# Altium PCB PM12_CFD.PcbDoc (part 3 of 12)
Units mm, origin at the board's own origin, x right, y up, seen from the top; angles counter-clockwise.
Board outline 96.25 x 362.25 mm, 6 copper layers (Top Layer, Mid-Layer 1, Mid-Layer 2, Mid-Layer 3, Mid-Layer 4, Bottom Layer); 1413 components, 2881 nets, 4503 pads, 1682 vias.
Unrouted connection lines stored in the file: 4.
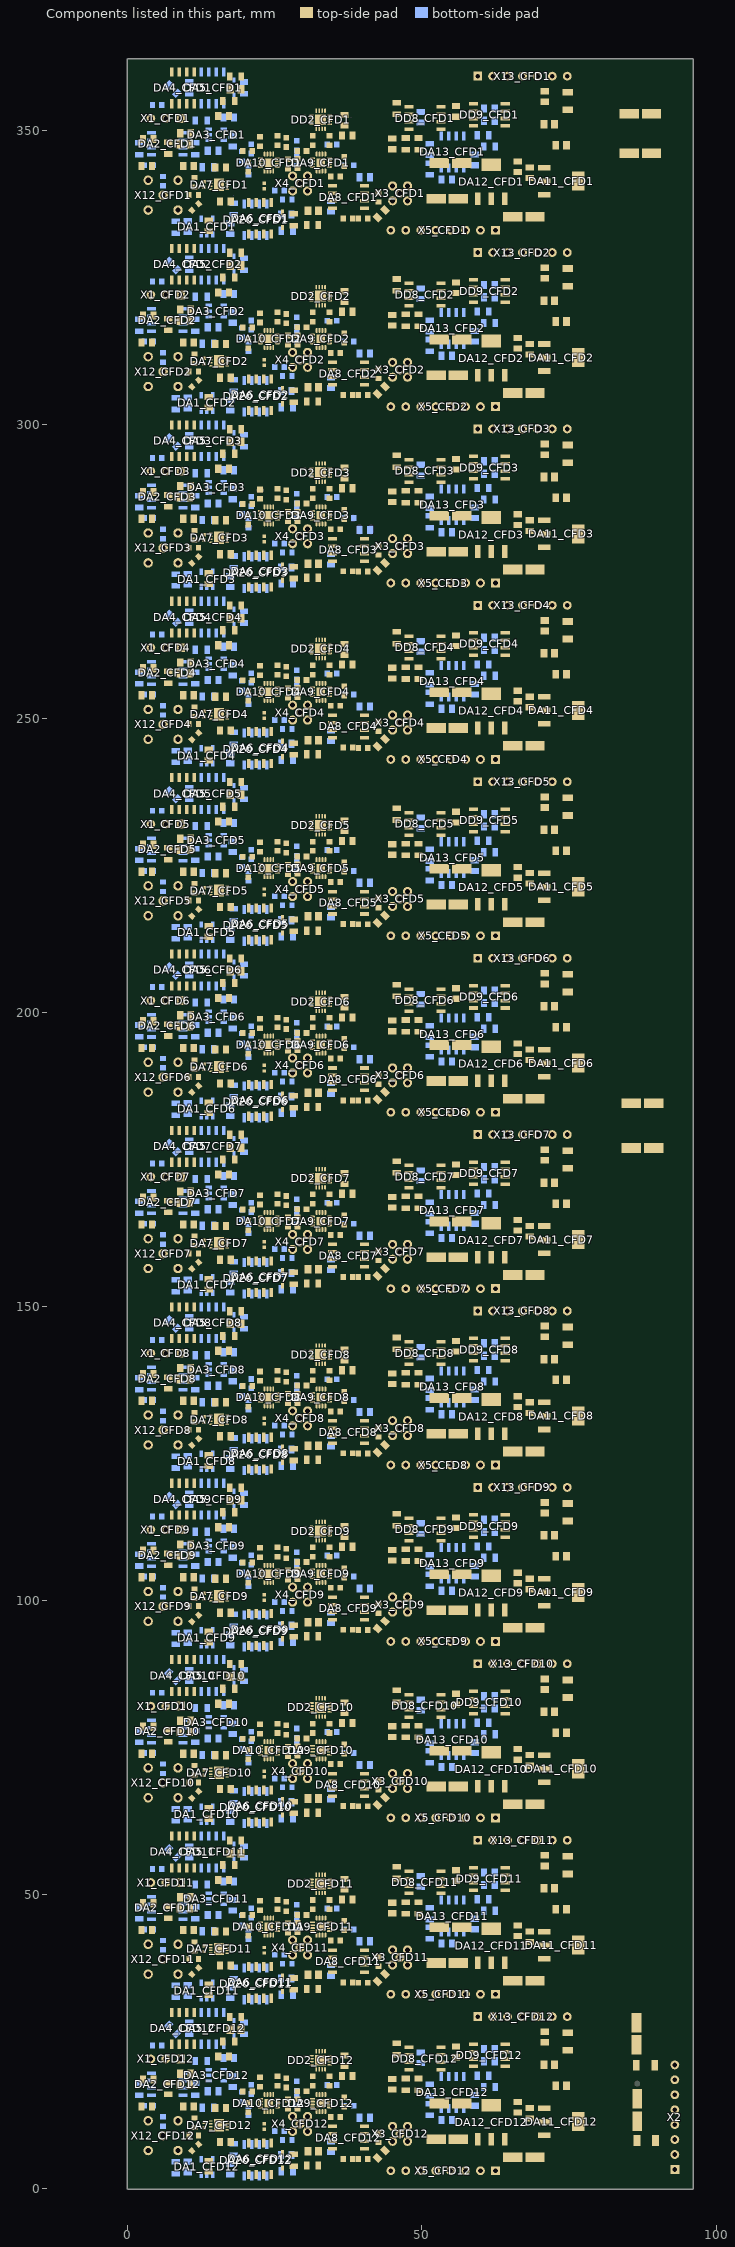
[diagram p7: the components of this part, seen from the top]

## Components (designator, comment, footprint, x,y, rotation, side; value= is the part's Value field where it differs from the comment) (continued)
R6_CFD3 "240" RESC1005X40N 12.954,280.741 r90 top (schematic designator R6)
R6_CFD4 "240" RESC1005X40N 12.954,250.741 r90 top (schematic designator R6)
R6_CFD5 "240" RESC1005X40N 12.954,220.741 r90 top (schematic designator R6)
R6_CFD6 "240" RESC1005X40N 12.954,190.741 r90 top (schematic designator R6)
R6_CFD7 "240" RESC1005X40N 12.954,160.741 r90 top (schematic designator R6)
R6_CFD8 "240" RESC1005X40N 12.954,130.741 r90 top (schematic designator R6)
R6_CFD9 "240" RESC1005X40N 12.954,100.741 r90 top (schematic designator R6)
R6_CFD10 "240" RESC1005X40N 12.954,70.741 r90 top (schematic designator R6)
R6_CFD11 "240" RESC1005X40N 12.954,40.741 r90 top (schematic designator R6)
R6_CFD12 "240" RESC1005X40N 12.954,10.741 r90 top (schematic designator R6)
R7_CFD1 "51" RESC2012X60N 47.244,347.68 r270 top (schematic designator R7)
R7_CFD2 "51" RESC2012X60N 47.244,317.68 r270 top (schematic designator R7)
R7_CFD3 "51" RESC2012X60N 47.244,287.68 r270 top (schematic designator R7)
R7_CFD4 "51" RESC2012X60N 47.244,257.68 r270 top (schematic designator R7)
R7_CFD5 "51" RESC2012X60N 47.244,227.68 r270 top (schematic designator R7)
R7_CFD6 "51" RESC2012X60N 47.244,197.68 r270 top (schematic designator R7)
R7_CFD7 "51" RESC2012X60N 47.244,167.68 r270 top (schematic designator R7)
R7_CFD8 "51" RESC2012X60N 47.244,137.68 r270 top (schematic designator R7)
R7_CFD9 "51" RESC2012X60N 47.244,107.68 r270 top (schematic designator R7)
R7_CFD10 "51" RESC2012X60N 47.244,77.68 r270 top (schematic designator R7)
R7_CFD11 "51" RESC2012X60N 47.244,47.68 r270 top (schematic designator R7)
R7_CFD12 "51" RESC2012X60N 47.244,17.68 r270 top (schematic designator R7)
R8_CFD1 "680" RESC2012X60N 11.43,346.837 r90 bottom (schematic designator R8)
R8_CFD2 "680" RESC2012X60N 11.43,316.837 r90 bottom (schematic designator R8)
R8_CFD3 "680" RESC2012X60N 11.43,286.837 r90 bottom (schematic designator R8)
R8_CFD4 "680" RESC2012X60N 11.43,256.837 r90 bottom (schematic designator R8)
R8_CFD5 "680" RESC2012X60N 11.43,226.837 r90 bottom (schematic designator R8)
R8_CFD6 "680" RESC2012X60N 11.43,196.837 r90 bottom (schematic designator R8)
R8_CFD7 "680" RESC2012X60N 11.43,166.837 r90 bottom (schematic designator R8)
R8_CFD8 "680" RESC2012X60N 11.43,136.837 r90 bottom (schematic designator R8)
R8_CFD9 "680" RESC2012X60N 11.43,106.837 r90 bottom (schematic designator R8)
R8_CFD10 "680" RESC2012X60N 11.43,76.837 r90 bottom (schematic designator R8)
R8_CFD11 "680" RESC2012X60N 11.43,46.837 r90 bottom (schematic designator R8)
R8_CFD12 "680" RESC2012X60N 11.43,16.837 r90 bottom (schematic designator R8)
R9_CFD1 "510" RESC1608X55N 3.556,344.043 r0 bottom (schematic designator R9)
R9_CFD2 "510" RESC1608X55N 3.556,314.043 r0 bottom (schematic designator R9)
R9_CFD3 "510" RESC1608X55N 3.556,284.043 r0 bottom (schematic designator R9)
R9_CFD4 "510" RESC1608X55N 3.556,254.043 r0 bottom (schematic designator R9)
R9_CFD5 "510" RESC1608X55N 3.556,224.043 r0 bottom (schematic designator R9)
R9_CFD6 "510" RESC1608X55N 3.556,194.043 r0 bottom (schematic designator R9)
R9_CFD7 "510" RESC1608X55N 3.556,164.043 r0 bottom (schematic designator R9)
R9_CFD8 "510" RESC1608X55N 3.556,134.043 r0 bottom (schematic designator R9)
R9_CFD9 "510" RESC1608X55N 3.556,104.043 r0 bottom (schematic designator R9)
R9_CFD10 "510" RESC1608X55N 3.556,74.043 r0 bottom (schematic designator R9)
R9_CFD11 "510" RESC1608X55N 3.556,44.043 r0 bottom (schematic designator R9)
R9_CFD12 "510" RESC1608X55N 3.556,14.043 r0 bottom (schematic designator R9)
R10_CFD1 "51" RESC2012X60N 6.858,346.964 r270 top (schematic designator R10)
R10_CFD2 "51" RESC2012X60N 6.858,316.964 r270 top (schematic designator R10)
R10_CFD3 "51" RESC2012X60N 6.858,286.964 r270 top (schematic designator R10)
R10_CFD4 "51" RESC2012X60N 6.858,256.964 r270 top (schematic designator R10)
R10_CFD5 "51" RESC2012X60N 6.858,226.964 r270 top (schematic designator R10)
R10_CFD6 "51" RESC2012X60N 6.858,196.964 r270 top (schematic designator R10)
R10_CFD7 "51" RESC2012X60N 6.858,166.964 r270 top (schematic designator R10)
R10_CFD8 "51" RESC2012X60N 6.858,136.964 r270 top (schematic designator R10)
R10_CFD9 "51" RESC2012X60N 6.858,106.964 r270 top (schematic designator R10)
R10_CFD10 "51" RESC2012X60N 6.858,76.964 r270 top (schematic designator R10)
R10_CFD11 "51" RESC2012X60N 6.858,46.964 r270 top (schematic designator R10)
R10_CFD12 "51" RESC2012X60N 6.858,16.964 r270 top (schematic designator R10)
R11_CFD1 "75" RESC1608X55N 42.58,338.582 r90 top (schematic designator R11)
R11_CFD2 "75" RESC1608X55N 42.58,308.582 r90 top (schematic designator R11)
R11_CFD3 "75" RESC1608X55N 42.58,278.582 r90 top (schematic designator R11)
R11_CFD4 "75" RESC1608X55N 42.58,248.582 r90 top (schematic designator R11)
R11_CFD5 "75" RESC1608X55N 42.58,218.582 r90 top (schematic designator R11)
R11_CFD6 "75" RESC1608X55N 42.58,188.582 r90 top (schematic designator R11)
R11_CFD7 "75" RESC1608X55N 42.58,158.582 r90 top (schematic designator R11)
R11_CFD8 "75" RESC1608X55N 42.58,128.582 r90 top (schematic designator R11)
R11_CFD9 "75" RESC1608X55N 42.58,98.582 r90 top (schematic designator R11)
R11_CFD10 "75" RESC1608X55N 42.58,68.582 r90 top (schematic designator R11)
R11_CFD11 "75" RESC1608X55N 42.58,38.582 r90 top (schematic designator R11)
R11_CFD12 "75" RESC1608X55N 42.58,8.582 r90 top (schematic designator R11)
R12_CFD1 "10k" RESC2012X60N 17.145,354.965 r180 top (schematic designator R12)
R12_CFD2 "10k" RESC2012X60N 17.145,324.965 r180 top (schematic designator R12)
R12_CFD3 "10k" RESC2012X60N 17.145,294.965 r180 top (schematic designator R12)
R12_CFD4 "10k" RESC2012X60N 17.145,264.965 r180 top (schematic designator R12)
R12_CFD5 "10k" RESC2012X60N 17.145,234.965 r180 top (schematic designator R12)
R12_CFD6 "10k" RESC2012X60N 17.145,204.965 r180 top (schematic designator R12)
R12_CFD7 "10k" RESC2012X60N 17.145,174.965 r180 top (schematic designator R12)
R12_CFD8 "10k" RESC2012X60N 17.145,144.965 r180 top (schematic designator R12)
R12_CFD9 "10k" RESC2012X60N 17.145,114.965 r180 top (schematic designator R12)
R12_CFD10 "10k" RESC2012X60N 17.145,84.965 r180 top (schematic designator R12)
R12_CFD11 "10k" RESC2012X60N 17.145,54.965 r180 top (schematic designator R12)
R12_CFD12 "10k" RESC2012X60N 17.145,24.965 r180 top (schematic designator R12)
R13_CFD1 "1k" RESC2012X60N 18.288,359.156 r0 top (schematic designator R13)
R13_CFD2 "1k" RESC2012X60N 18.288,329.156 r0 top (schematic designator R13)
R13_CFD3 "1k" RESC2012X60N 18.288,299.156 r0 top (schematic designator R13)
R13_CFD4 "1k" RESC2012X60N 18.288,269.156 r0 top (schematic designator R13)
R13_CFD5 "1k" RESC2012X60N 18.288,239.156 r0 top (schematic designator R13)
R13_CFD6 "1k" RESC2012X60N 18.288,209.156 r0 top (schematic designator R13)
R13_CFD7 "1k" RESC2012X60N 18.288,179.156 r0 top (schematic designator R13)
R13_CFD8 "1k" RESC2012X60N 18.288,149.156 r0 top (schematic designator R13)
R13_CFD9 "1k" RESC2012X60N 18.288,119.156 r0 top (schematic designator R13)
R13_CFD10 "1k" RESC2012X60N 18.288,89.156 r0 top (schematic designator R13)
R13_CFD11 "1k" RESC2012X60N 18.288,59.156 r0 top (schematic designator R13)
R13_CFD12 "1k" RESC2012X60N 18.288,29.156 r0 top (schematic designator R13)
R14_CFD1 "20" RESC2012X60N 18,336.6 r90 bottom (schematic designator R14)
R14_CFD2 "20" RESC2012X60N 18,306.6 r90 bottom (schematic designator R14)
R14_CFD3 "20" RESC2012X60N 18,276.6 r90 bottom (schematic designator R14)
R14_CFD4 "20" RESC2012X60N 18,246.6 r90 bottom (schematic designator R14)
R14_CFD5 "20" RESC2012X60N 18,216.6 r90 bottom (schematic designator R14)
R14_CFD6 "20" RESC2012X60N 18,186.6 r90 bottom (schematic designator R14)
R14_CFD7 "20" RESC2012X60N 18,156.6 r90 bottom (schematic designator R14)
R14_CFD8 "20" RESC2012X60N 18,126.6 r90 bottom (schematic designator R14)
R14_CFD9 "20" RESC2012X60N 18,96.6 r90 bottom (schematic designator R14)
R14_CFD10 "20" RESC2012X60N 18,66.6 r90 bottom (schematic designator R14)
R14_CFD11 "20" RESC2012X60N 18,36.6 r90 bottom (schematic designator R14)
R14_CFD12 "20" RESC2012X60N 18,6.6 r90 bottom (schematic designator R14)
R15_CFD1 "100" RESC2012X60N 7.6,357 r135 bottom (schematic designator R15)
R15_CFD2 "100" RESC2012X60N 7.6,327 r135 bottom (schematic designator R15)
R15_CFD3 "100" RESC2012X60N 7.6,297 r135 bottom (schematic designator R15)
R15_CFD4 "100" RESC2012X60N 7.6,267 r135 bottom (schematic designator R15)
R15_CFD5 "100" RESC2012X60N 7.6,237 r135 bottom (schematic designator R15)
R15_CFD6 "100" RESC2012X60N 7.6,207 r135 bottom (schematic designator R15)
R15_CFD7 "100" RESC2012X60N 7.6,177 r135 bottom (schematic designator R15)
R15_CFD8 "100" RESC2012X60N 7.6,147 r135 bottom (schematic designator R15)
R15_CFD9 "100" RESC2012X60N 7.6,117 r135 bottom (schematic designator R15)
R15_CFD10 "100" RESC2012X60N 7.6,87 r135 bottom (schematic designator R15)
R15_CFD11 "100" RESC2012X60N 7.6,57 r135 bottom (schematic designator R15)
R15_CFD12 "100" RESC2012X60N 7.6,27 r135 bottom (schematic designator R15)
R16_CFD1 "10k" RESC2012X60N 28.194,334.772 r90 top (schematic designator R16)
R16_CFD2 "10k" RESC2012X60N 28.194,304.772 r90 top (schematic designator R16)
R16_CFD3 "10k" RESC2012X60N 28.194,274.772 r90 top (schematic designator R16)
R16_CFD4 "10k" RESC2012X60N 28.194,244.772 r90 top (schematic designator R16)
R16_CFD5 "10k" RESC2012X60N 28.194,214.772 r90 top (schematic designator R16)
R16_CFD6 "10k" RESC2012X60N 28.194,184.772 r90 top (schematic designator R16)
R16_CFD7 "10k" RESC2012X60N 28.194,154.772 r90 top (schematic designator R16)
R16_CFD8 "10k" RESC2012X60N 28.194,124.772 r90 top (schematic designator R16)
R16_CFD9 "10k" RESC2012X60N 28.194,94.772 r90 top (schematic designator R16)
R16_CFD10 "10k" RESC2012X60N 28.194,64.772 r90 top (schematic designator R16)
R16_CFD11 "10k" RESC2012X60N 28.194,34.772 r90 top (schematic designator R16)
R16_CFD12 "10k" RESC2012X60N 28.194,4.772 r90 top (schematic designator R16)
R17_CFD1 "10k" RESC2012X60N 19.75,357.2 r90 bottom (schematic designator R17)
R17_CFD2 "10k" RESC2012X60N 19.75,327.2 r90 bottom (schematic designator R17)
R17_CFD3 "10k" RESC2012X60N 19.75,297.2 r90 bottom (schematic designator R17)
R17_CFD4 "10k" RESC2012X60N 19.75,267.2 r90 bottom (schematic designator R17)
R17_CFD5 "10k" RESC2012X60N 19.75,237.2 r90 bottom (schematic designator R17)
R17_CFD6 "10k" RESC2012X60N 19.75,207.2 r90 bottom (schematic designator R17)
R17_CFD7 "10k" RESC2012X60N 19.75,177.2 r90 bottom (schematic designator R17)
R17_CFD8 "10k" RESC2012X60N 19.75,147.2 r90 bottom (schematic designator R17)
R17_CFD9 "10k" RESC2012X60N 19.75,117.2 r90 bottom (schematic designator R17)
R17_CFD10 "10k" RESC2012X60N 19.75,87.2 r90 bottom (schematic designator R17)
R17_CFD11 "10k" RESC2012X60N 19.75,57.2 r90 bottom (schematic designator R17)
R17_CFD12 "10k" RESC2012X60N 19.75,27.2 r90 bottom (schematic designator R17)
R18_CFD1 "200" RESC2012X60N 61.468,347.218 r0 bottom (schematic designator R18)
R18_CFD2 "200" RESC2012X60N 61.468,317.218 r0 bottom (schematic designator R18)
R18_CFD3 "200" RESC2012X60N 61.468,287.218 r0 bottom (schematic designator R18)
R18_CFD4 "200" RESC2012X60N 61.468,257.218 r0 bottom (schematic designator R18)
R18_CFD5 "200" RESC2012X60N 61.468,227.218 r0 bottom (schematic designator R18)
R18_CFD6 "200" RESC2012X60N 61.468,197.218 r0 bottom (schematic designator R18)
R18_CFD7 "200" RESC2012X60N 61.468,167.218 r0 bottom (schematic designator R18)
R18_CFD8 "200" RESC2012X60N 61.468,137.218 r0 bottom (schematic designator R18)
R18_CFD9 "200" RESC2012X60N 61.468,107.218 r0 bottom (schematic designator R18)
R18_CFD10 "200" RESC2012X60N 61.468,77.218 r0 bottom (schematic designator R18)
R18_CFD11 "200" RESC2012X60N 61.468,47.218 r0 bottom (schematic designator R18)
R18_CFD12 "200" RESC2012X60N 61.468,17.218 r0 bottom (schematic designator R18)
R19_CFD1 "510" RESC1608X55N 37.4,335 r180 top (schematic designator R19)
R19_CFD2 "510" RESC1608X55N 37.4,305 r180 top (schematic designator R19)
R19_CFD3 "510" RESC1608X55N 37.4,275 r180 top (schematic designator R19)
R19_CFD4 "510" RESC1608X55N 37.4,245 r180 top (schematic designator R19)
R19_CFD5 "510" RESC1608X55N 37.4,215 r180 top (schematic designator R19)
R19_CFD6 "510" RESC1608X55N 37.4,185 r180 top (schematic designator R19)
R19_CFD7 "510" RESC1608X55N 37.4,155 r180 top (schematic designator R19)
R19_CFD8 "510" RESC1608X55N 37.4,125 r180 top (schematic designator R19)
R19_CFD9 "510" RESC1608X55N 37.4,95 r180 top (schematic designator R19)
R19_CFD10 "510" RESC1608X55N 37.4,65 r180 top (schematic designator R19)
R19_CFD11 "510" RESC1608X55N 37.4,35 r180 top (schematic designator R19)
R19_CFD12 "510" RESC1608X55N 37.4,5 r180 top (schematic designator R19)
R20_CFD1 "240" RESC1608X55N 34.7,347.599 r0 bottom (schematic designator R20)
R20_CFD2 "240" RESC1608X55N 34.7,317.599 r0 bottom (schematic designator R20)
R20_CFD3 "240" RESC1608X55N 34.7,287.599 r0 bottom (schematic designator R20)
R20_CFD4 "240" RESC1608X55N 34.7,257.599 r0 bottom (schematic designator R20)
R20_CFD5 "240" RESC1608X55N 34.7,227.599 r0 bottom (schematic designator R20)
R20_CFD6 "240" RESC1608X55N 34.7,197.599 r0 bottom (schematic designator R20)
R20_CFD7 "240" RESC1608X55N 34.7,167.599 r0 bottom (schematic designator R20)
R20_CFD8 "240" RESC1608X55N 34.7,137.599 r0 bottom (schematic designator R20)
R20_CFD9 "240" RESC1608X55N 34.7,107.599 r0 bottom (schematic designator R20)
R20_CFD10 "240" RESC1608X55N 34.7,77.599 r0 bottom (schematic designator R20)
R20_CFD11 "240" RESC1608X55N 34.7,47.599 r0 bottom (schematic designator R20)
R20_CFD12 "240" RESC1608X55N 34.7,17.599 r0 bottom (schematic designator R20)
R21_CFD1 "120" RESC1608X55N 40,334.97 r180 top (schematic designator R21)
R21_CFD2 "120" RESC1608X55N 40,304.97 r180 top (schematic designator R21)
R21_CFD3 "120" RESC1608X55N 40,274.97 r180 top (schematic designator R21)
R21_CFD4 "120" RESC1608X55N 40,244.97 r180 top (schematic designator R21)
R21_CFD5 "120" RESC1608X55N 40,214.97 r180 top (schematic designator R21)
R21_CFD6 "120" RESC1608X55N 40,184.97 r180 top (schematic designator R21)
R21_CFD7 "120" RESC1608X55N 40,154.97 r180 top (schematic designator R21)
R21_CFD8 "120" RESC1608X55N 40,124.97 r180 top (schematic designator R21)
R21_CFD9 "120" RESC1608X55N 40,94.97 r180 top (schematic designator R21)
R21_CFD10 "120" RESC1608X55N 40,64.97 r180 top (schematic designator R21)
R21_CFD11 "120" RESC1608X55N 40,34.97 r180 top (schematic designator R21)
R21_CFD12 "120" RESC1608X55N 40,4.97 r180 top (schematic designator R21)
R22_CFD1 "3k3" RESC1608X55N 28.702,344.805 r270 bottom (schematic designator R22)
R22_CFD2 "3k3" RESC1608X55N 28.702,314.805 r270 bottom (schematic designator R22)
R22_CFD3 "3k3" RESC1608X55N 28.702,284.805 r270 bottom (schematic designator R22)
R22_CFD4 "3k3" RESC1608X55N 28.702,254.805 r270 bottom (schematic designator R22)
R22_CFD5 "3k3" RESC1608X55N 28.702,224.805 r270 bottom (schematic designator R22)
R22_CFD6 "3k3" RESC1608X55N 28.702,194.805 r270 bottom (schematic designator R22)
R22_CFD7 "3k3" RESC1608X55N 28.702,164.805 r270 bottom (schematic designator R22)
R22_CFD8 "3k3" RESC1608X55N 28.702,134.805 r270 bottom (schematic designator R22)
R22_CFD9 "3k3" RESC1608X55N 28.702,104.805 r270 bottom (schematic designator R22)
R22_CFD10 "3k3" RESC1608X55N 28.702,74.805 r270 bottom (schematic designator R22)
R22_CFD11 "3k3" RESC1608X55N 28.702,44.805 r270 bottom (schematic designator R22)
R22_CFD12 "3k3" RESC1608X55N 28.702,14.805 r270 bottom (schematic designator R22)
R23_CFD1 "3k3" RESC1608X55N 19.4,345.58 r270 bottom (schematic designator R23)
R23_CFD2 "3k3" RESC1608X55N 19.4,315.58 r270 bottom (schematic designator R23)
R23_CFD3 "3k3" RESC1608X55N 19.4,285.58 r270 bottom (schematic designator R23)
R23_CFD4 "3k3" RESC1608X55N 19.4,255.58 r270 bottom (schematic designator R23)
R23_CFD5 "3k3" RESC1608X55N 19.4,225.58 r270 bottom (schematic designator R23)
R23_CFD6 "3k3" RESC1608X55N 19.4,195.58 r270 bottom (schematic designator R23)
R23_CFD7 "3k3" RESC1608X55N 19.4,165.58 r270 bottom (schematic designator R23)
R23_CFD8 "3k3" RESC1608X55N 19.4,135.58 r270 bottom (schematic designator R23)
R23_CFD9 "3k3" RESC1608X55N 19.4,105.58 r270 bottom (schematic designator R23)
R23_CFD10 "3k3" RESC1608X55N 19.4,75.58 r270 bottom (schematic designator R23)
R23_CFD11 "3k3" RESC1608X55N 19.4,45.58 r270 bottom (schematic designator R23)
R23_CFD12 "3k3" RESC1608X55N 19.4,15.58 r270 bottom (schematic designator R23)
R24_CFD1 "16" RESC1608X64N 27.051,338.201 r180 bottom (schematic designator R24)
R24_CFD2 "16" RESC1608X64N 27.051,308.201 r180 bottom (schematic designator R24)
R24_CFD3 "16" RESC1608X64N 27.051,278.201 r180 bottom (schematic designator R24)
R24_CFD4 "16" RESC1608X64N 27.051,248.201 r180 bottom (schematic designator R24)
R24_CFD5 "16" RESC1608X64N 27.051,218.201 r180 bottom (schematic designator R24)
R24_CFD6 "16" RESC1608X64N 27.051,188.201 r180 bottom (schematic designator R24)
R24_CFD7 "16" RESC1608X64N 27.051,158.201 r180 bottom (schematic designator R24)
R24_CFD8 "16" RESC1608X64N 27.051,128.201 r180 bottom (schematic designator R24)
R24_CFD9 "16" RESC1608X64N 27.051,98.201 r180 bottom (schematic designator R24)
R24_CFD10 "16" RESC1608X64N 27.051,68.201 r180 bottom (schematic designator R24)
R24_CFD11 "16" RESC1608X64N 27.051,38.201 r180 bottom (schematic designator R24)
R24_CFD12 "16" RESC1608X64N 27.051,8.201 r180 bottom (schematic designator R24)
R25_CFD1 "20" RESC2012X60N 12.446,351.663 r0 bottom (schematic designator R25)
R25_CFD2 "20" RESC2012X60N 12.446,321.663 r0 bottom (schematic designator R25)
R25_CFD3 "20" RESC2012X60N 12.446,291.663 r0 bottom (schematic designator R25)
R25_CFD4 "20" RESC2012X60N 12.446,261.663 r0 bottom (schematic designator R25)
R25_CFD5 "20" RESC2012X60N 12.446,231.663 r0 bottom (schematic designator R25)
R25_CFD6 "20" RESC2012X60N 12.446,201.663 r0 bottom (schematic designator R25)
R25_CFD7 "20" RESC2012X60N 12.446,171.663 r0 bottom (schematic designator R25)
R25_CFD8 "20" RESC2012X60N 12.446,141.663 r0 bottom (schematic designator R25)
R25_CFD9 "20" RESC2012X60N 12.446,111.663 r0 bottom (schematic designator R25)
R25_CFD10 "20" RESC2012X60N 12.446,81.663 r0 bottom (schematic designator R25)
R25_CFD11 "20" RESC2012X60N 12.446,51.663 r0 bottom (schematic designator R25)
R25_CFD12 "20" RESC2012X60N 12.446,21.663 r0 bottom (schematic designator R25)
R28_CFD1 "20k" RESC2012X60N 51.3,346.72 r90 bottom (schematic designator R28)
R28_CFD2 "20k" RESC2012X60N 51.3,316.72 r90 bottom (schematic designator R28)
R28_CFD3 "20k" RESC2012X60N 51.3,286.72 r90 bottom (schematic designator R28)
R28_CFD4 "20k" RESC2012X60N 51.3,256.72 r90 bottom (schematic designator R28)
R28_CFD5 "20k" RESC2012X60N 51.3,226.72 r90 bottom (schematic designator R28)
R28_CFD6 "20k" RESC2012X60N 51.3,196.72 r90 bottom (schematic designator R28)
R28_CFD7 "20k" RESC2012X60N 51.3,166.72 r90 bottom (schematic designator R28)
R28_CFD8 "20k" RESC2012X60N 51.3,136.72 r90 bottom (schematic designator R28)
R28_CFD9 "20k" RESC2012X60N 51.3,106.72 r90 bottom (schematic designator R28)
R28_CFD10 "20k" RESC2012X60N 51.3,76.72 r90 bottom (schematic designator R28)
R28_CFD11 "20k" RESC2012X60N 51.3,46.72 r90 bottom (schematic designator R28)
R28_CFD12 "20k" RESC2012X60N 51.3,16.72 r90 bottom (schematic designator R28)
R29_CFD1 "33k" RESC2012X60N 51.3,343.408 r90 bottom (schematic designator R29)
R29_CFD2 "33k" RESC2012X60N 51.3,313.408 r90 bottom (schematic designator R29)
R29_CFD3 "33k" RESC2012X60N 51.3,283.408 r90 bottom (schematic designator R29)
R29_CFD4 "33k" RESC2012X60N 51.3,253.408 r90 bottom (schematic designator R29)
R29_CFD5 "33k" RESC2012X60N 51.3,223.408 r90 bottom (schematic designator R29)
R29_CFD6 "33k" RESC2012X60N 51.3,193.408 r90 bottom (schematic designator R29)
R29_CFD7 "33k" RESC2012X60N 51.3,163.408 r90 bottom (schematic designator R29)
R29_CFD8 "33k" RESC2012X60N 51.3,133.408 r90 bottom (schematic designator R29)
R29_CFD9 "33k" RESC2012X60N 51.3,103.408 r90 bottom (schematic designator R29)
R29_CFD10 "33k" RESC2012X60N 51.3,73.408 r90 bottom (schematic designator R29)
R29_CFD11 "33k" RESC2012X60N 51.3,43.408 r90 bottom (schematic designator R29)
R29_CFD12 "33k" RESC2012X60N 51.3,13.408 r90 bottom (schematic designator R29)
R39_CFD1 "510" RESC1005X40N 23.18,340.487 r270 top (schematic designator R39)
R39_CFD2 "510" RESC1005X40N 23.18,310.487 r270 top (schematic designator R39)
R39_CFD3 "510" RESC1005X40N 23.18,280.487 r270 top (schematic designator R39)
R39_CFD4 "510" RESC1005X40N 23.18,250.487 r270 top (schematic designator R39)
R39_CFD5 "510" RESC1005X40N 23.18,220.487 r270 top (schematic designator R39)
R39_CFD6 "510" RESC1005X40N 23.18,190.487 r270 top (schematic designator R39)
R39_CFD7 "510" RESC1005X40N 23.18,160.487 r270 top (schematic designator R39)
R39_CFD8 "510" RESC1005X40N 23.18,130.487 r270 top (schematic designator R39)
R39_CFD9 "510" RESC1005X40N 23.18,100.487 r270 top (schematic designator R39)
R39_CFD10 "510" RESC1005X40N 23.18,70.487 r270 top (schematic designator R39)
R39_CFD11 "510" RESC1005X40N 23.18,40.487 r270 top (schematic designator R39)
R39_CFD12 "510" RESC1005X40N 23.18,10.487 r270 top (schematic designator R39)
R40_CFD1 "27" RESC1608X64N 11.303,341.122 r270 top (schematic designator R40)
R40_CFD2 "27" RESC1608X64N 11.303,311.122 r270 top (schematic designator R40)
R40_CFD3 "27" RESC1608X64N 11.303,281.122 r270 top (schematic designator R40)
R40_CFD4 "27" RESC1608X64N 11.303,251.122 r270 top (schematic designator R40)
R40_CFD5 "27" RESC1608X64N 11.303,221.122 r270 top (schematic designator R40)
R40_CFD6 "27" RESC1608X64N 11.303,191.122 r270 top (schematic designator R40)
R40_CFD7 "27" RESC1608X64N 11.303,161.122 r270 top (schematic designator R40)
R40_CFD8 "27" RESC1608X64N 11.303,131.122 r270 top (schematic designator R40)
R40_CFD9 "27" RESC1608X64N 11.303,101.122 r270 top (schematic designator R40)
R40_CFD10 "27" RESC1608X64N 11.303,71.122 r270 top (schematic designator R40)
R40_CFD11 "27" RESC1608X64N 11.303,41.122 r270 top (schematic designator R40)